# Altium PCB PCB1.PcbDoc
Units mil, origin at the board's own origin, x right, y up, seen from the top; angles counter-clockwise.
Board outline 4580 x 3117.91 mil, 2 copper layers (Top Layer, Bottom Layer); 113 components, 70 nets, 323 pads, 368 vias.
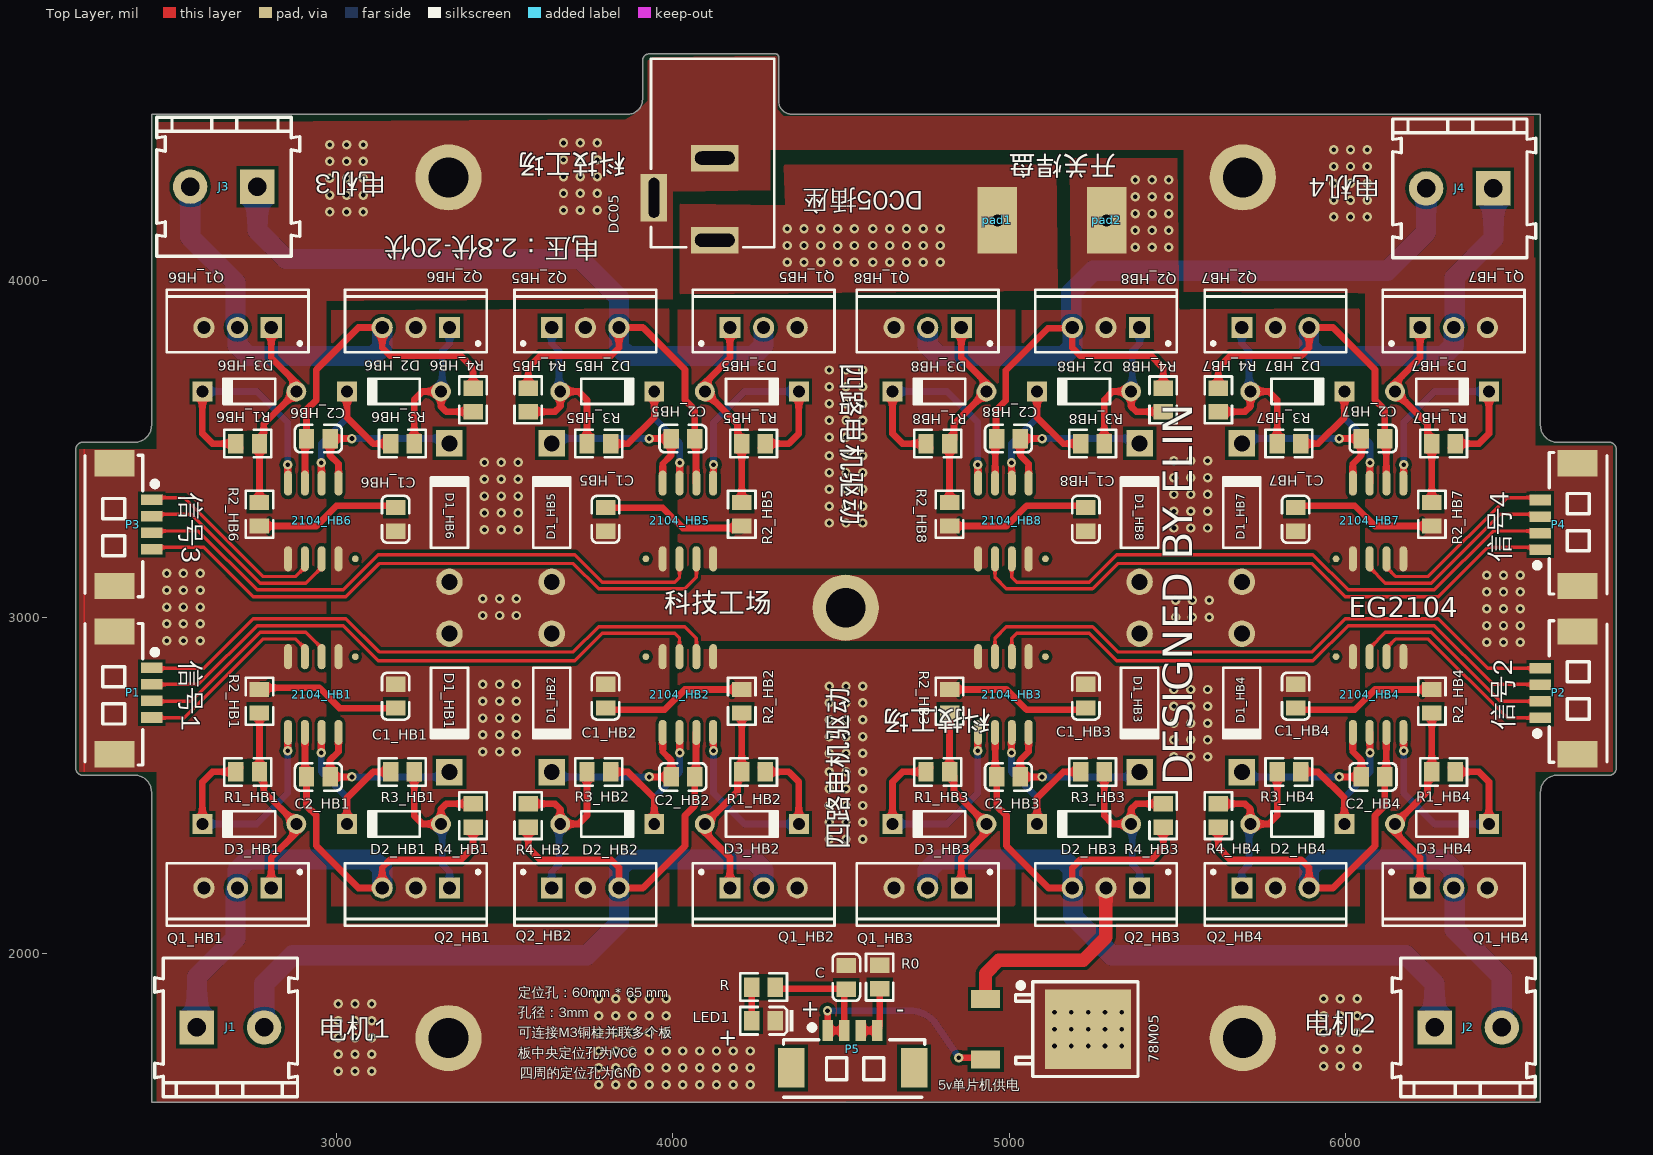
[diagram p0: Top Layer view]
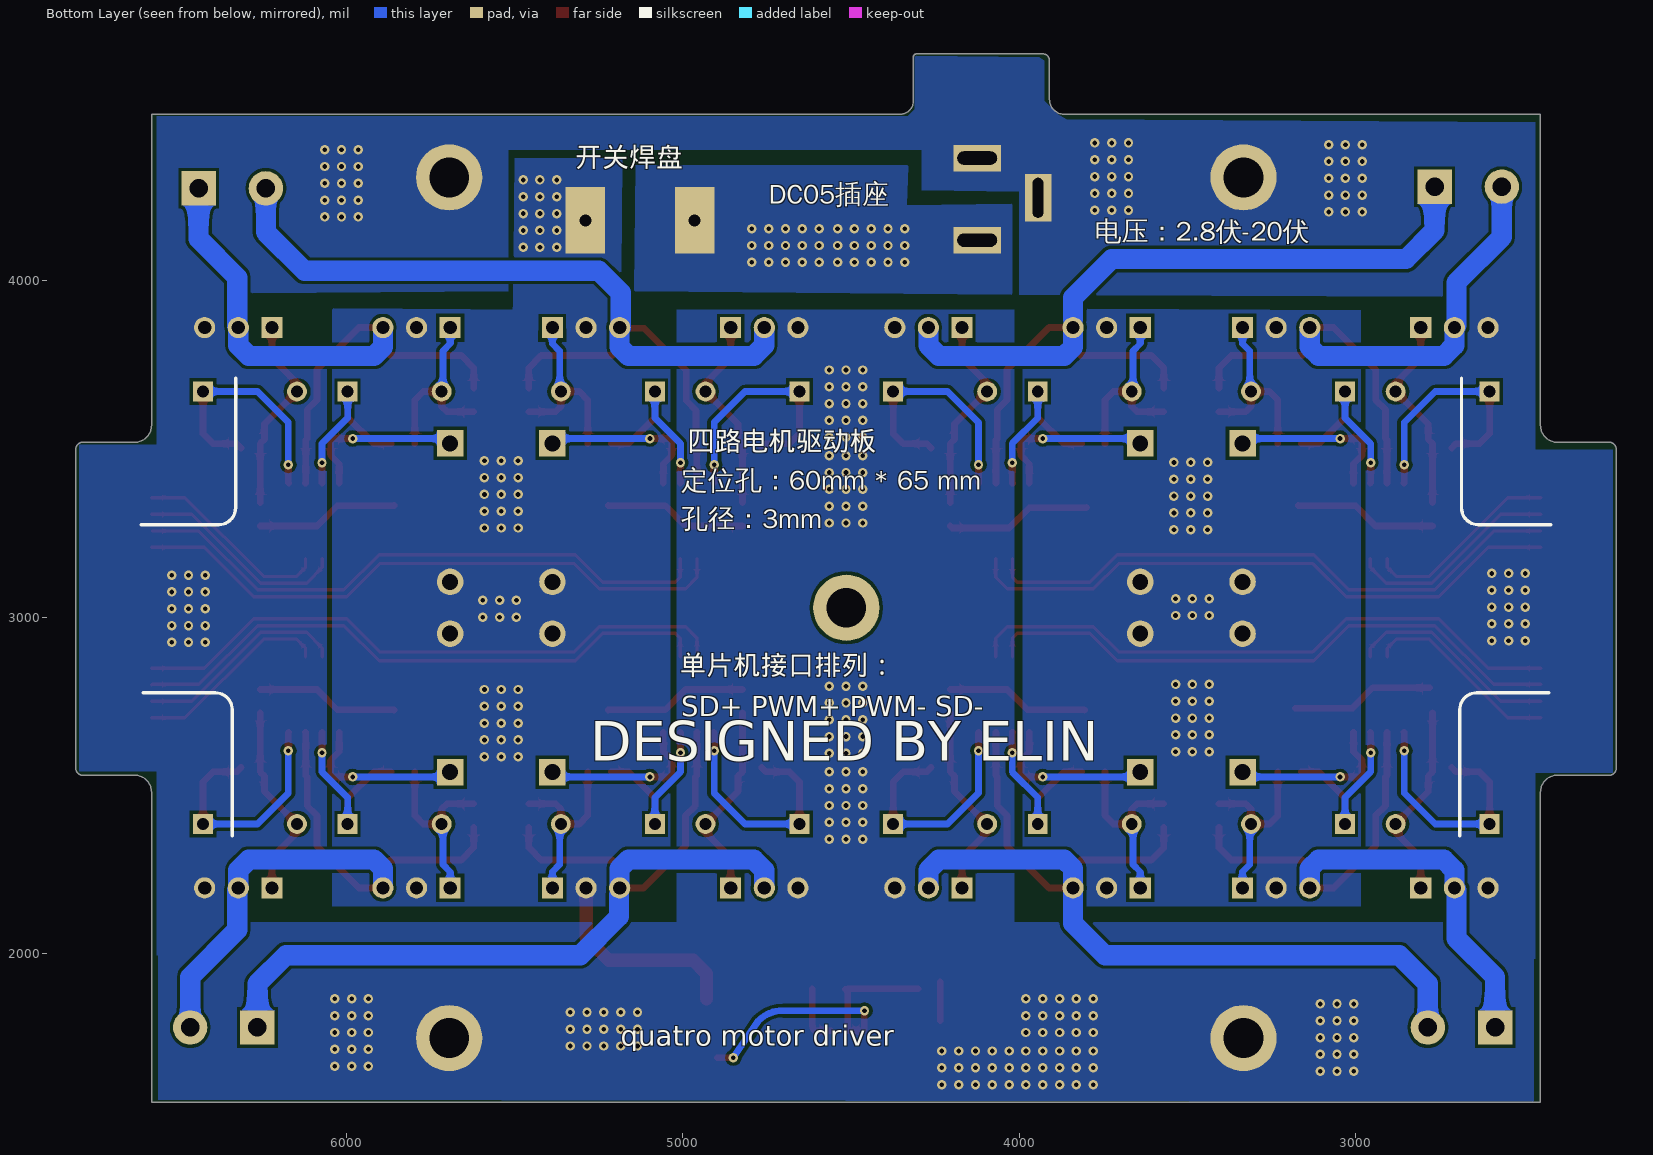
[diagram p1: Bottom Layer view, seen from below]
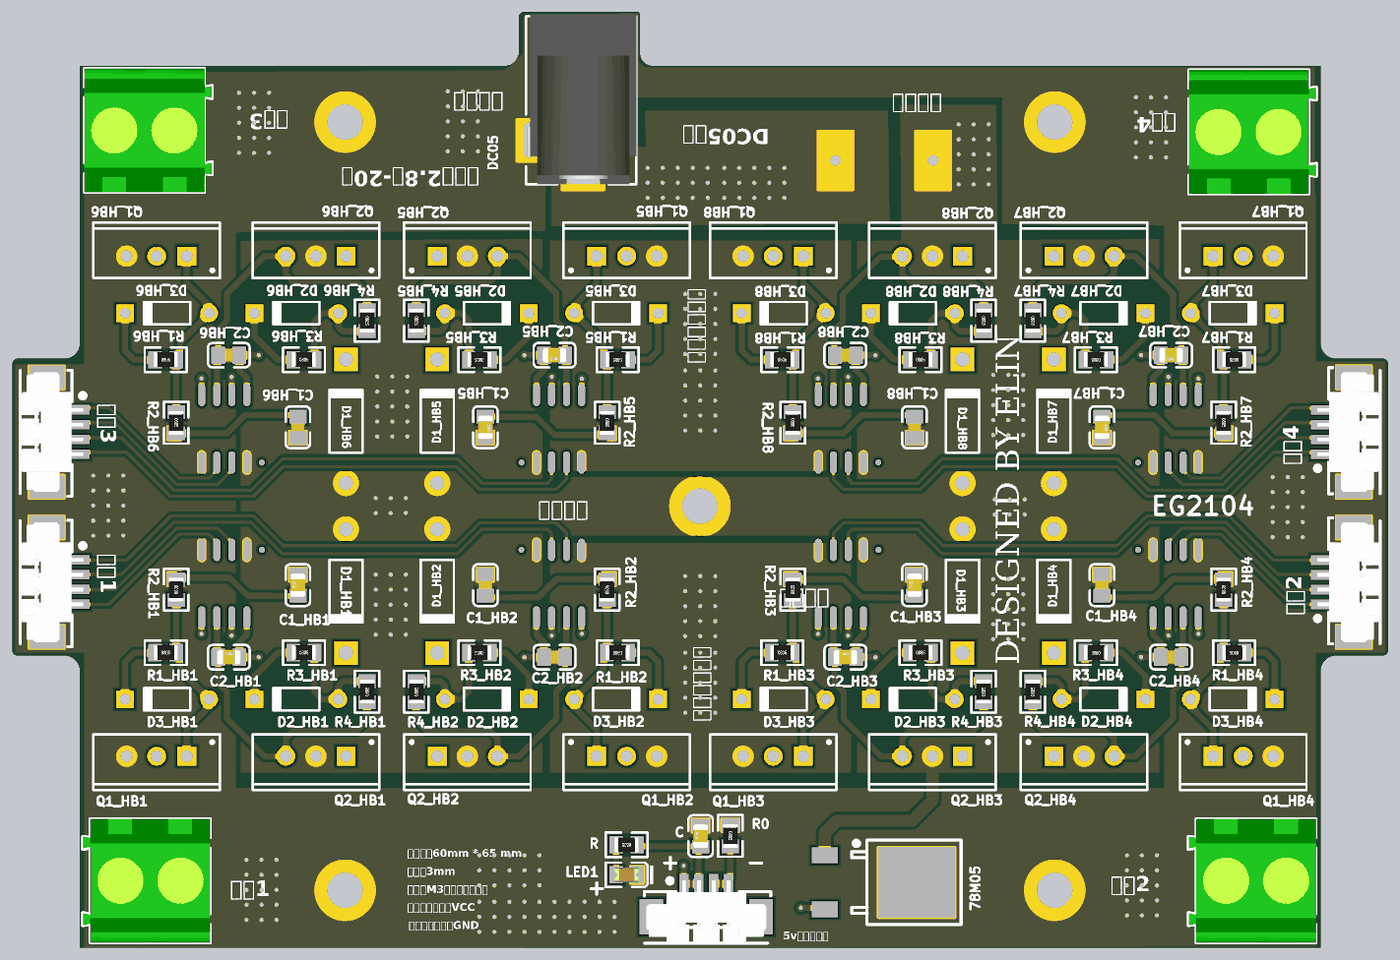
[diagram p2: 3D render of the assembled board from above, using the file's embedded part models]

## Layer stack, top to bottom
Top Solder: solder mask 0.4, Solder Resist, Dk 3.5
Top Layer: signal copper 1.4
Dielectric 1: dielectric 12.6, FR-4, Dk 4.8
Bottom Layer: signal copper 1.4
Bottom Solder: solder mask 0.4, Solder Resist, Dk 3.5

## Board outline
2245,2530 cw(c2245,2550) 2225,2550 2225,3500 cw(c2245,3500) 2245,3520 2400,3520 ccw(c2400,3570) 2450,3570 2450,4495 3865,4495 ccw(c3865,4540) 3910,4540 3910,4655 cw(c3930,4655) 3930,4675 4305,4675 cw(c4305,4665) 4315,4665 4315,4535 ccw(c4355,4535) 4355,4495 4420,4495 6580,4495 6580,3570 ccw(c6630,3570) 6630,3520 6765,3520 6785,3520 cw(c6785,3500) 6805,3500 6805,2550 cw(c6785,2550) 6785,2530 6775,2530 6630,2530 ccw(c6630,2480) 6580,2480 6580,1557.09 2450,1557.09 2450,2480 ccw(c2400,2480) 2400,2530

## Design rules (kind name [scope] priority, off if disabled: settings)
Clearance [All] p1: gap=10 ignorepadtopadclearanceinfootprint=FALSE except(0: Arc-Hole Track-Hole SMDPad-Hole THPad-Hole Via-Hole Fill-Hole Poly-Hole Region-Hole Text-Hole)
HoleSize [All] p1: absolutevalues=TRUE maxlimit=130 minlimit=1 maxpercent=80.000 minpercent=20.000
HoleToHoleClearance [All] p1: gap=4 allowstackedmicrovias=TRUE
MinimumSolderMaskSliver [All] p1: minsoldermaskwidth=4
PlaneClearance [All] p1: clearance=40
PlaneConnect [All] p1: planeconnectstyle=Direct reliefexpansion=20 reliefentries=4 reliefconductorwidth=20 reliefairgap=10
PolygonConnect [All] p1: connectstyle=Direct reliefconductorwidth=30 reliefentries=4 polygonreliefangle="90 Angle" airgapwidth=10
RoomDefinition HB8 [InComponentClass('HB8')] p1: confinementstyle=ConfineIn formatcopy=TRUE lockcomponents=TRUE outline 4514,4071 5540,4071 5540,3028 4514,3028
RoomDefinition HB7 [InComponentClass('HB7')] p2: confinementstyle=ConfineIn formatcopy=TRUE lockcomponents=TRUE outline 6566,4071 5540,4071 5540,3028 6566,3028
RoomDefinition HB6 [InComponentClass('HB6')] p3: confinementstyle=ConfineIn formatcopy=TRUE lockcomponents=TRUE outline 2462,4071 3488,4071 3488,3028 2462,3028
RoomDefinition HB5 [InComponentClass('HB5')] p4: confinementstyle=ConfineIn formatcopy=TRUE lockcomponents=TRUE outline 4514,4071 3488,4071 3488,3028 4514,3028
RoomDefinition HB4 [InComponentClass('HB4')] p5: confinementstyle=ConfineIn formatcopy=TRUE lockcomponents=TRUE outline 6566,1985 5540,1985 5540,3028 6566,3028
RoomDefinition HB3 [InComponentClass('HB3')] p6: confinementstyle=ConfineIn formatcopy=TRUE lockcomponents=TRUE outline 4514,1985 5540,1985 5540,3028 4514,3028
RoomDefinition HB2 [InComponentClass('HB2')] p7: confinementstyle=ConfineIn formatcopy=TRUE lockcomponents=TRUE outline 4514,1985 3488,1985 3488,3028 4514,3028
RoomDefinition HB1 [InComponentClass('HB1')] p8: confinementstyle=ConfineIn formatcopy=TRUE lockcomponents=TRUE outline 2462,1985 3488,1985 3488,3028 2462,3028
RoutingVias [All] p1: holewidth=14 width=28 viastyle="Through Hole" minholewidth=5 minwidth=4 maxholewidth=28 maxwidth=50
SilkToSilkClearance [All] p1: silktosilkclearance=4
SilkToSolderMaskClearance [IsPad] p1: minsilkscreentomaskgap=4 clearancetoexposedcopper=TRUE
SolderMaskExpansion [All] p1: expansion=4
Width Width_3 [InNetClass('MT[1..8]')] p1: maxlimit=90 minlimit=10 preferedwidth=20
Width Width_2 [InNetClass('SD[1..8]')] p2: maxlimit=10 minlimit=10 preferedwidth=10
Width Width_1 [InNetClass('PWM[1..8]')] p3: maxlimit=10 minlimit=10 preferedwidth=10
Width [All] p4: maxlimit=60 minlimit=10 preferedwidth=20
23 further rules are at their usual default settings.

## Classes and differential pairs
channel class h桥: HB1 HB2 HB3 HB4 HB5 HB6 HB7 HB8
net class SD[1..8]: SD1 SD2 SD3 SD4 SD5 SD6 SD7 SD8
net class PWM[1..8]: PWM1 PWM2 PWM3 PWM4 PWM5 PWM6 PWM7 PWM8
net class MT[1..8]: MT1 MT2 MT3 MT4 MT5 MT6 MT7 MT8
component class 汇总: C DC05 J1 J2 J3 J4 LED1 P1 P2 P3 P4 P5 pad1 pad2 R R0
component class HB8: 2104_HB8 C1_HB8 C2_HB8 D1_HB8 D2_HB8 D3_HB8 Q1_HB8 Q2_HB8 R1_HB8 R2_HB8 R3_HB8 R4_HB8
component class HB7: 2104_HB7 C1_HB7 C2_HB7 D1_HB7 D2_HB7 D3_HB7 Q1_HB7 Q2_HB7 R1_HB7 R2_HB7 R3_HB7 R4_HB7
component class HB6: 2104_HB6 C1_HB6 C2_HB6 D1_HB6 D2_HB6 D3_HB6 Q1_HB6 Q2_HB6 R1_HB6 R2_HB6 R3_HB6 R4_HB6
component class HB5: 2104_HB5 C1_HB5 C2_HB5 D1_HB5 D2_HB5 D3_HB5 Q1_HB5 Q2_HB5 R1_HB5 R2_HB5 R3_HB5 R4_HB5
component class HB4: 2104_HB4 C1_HB4 C2_HB4 D1_HB4 D2_HB4 D3_HB4 Q1_HB4 Q2_HB4 R1_HB4 R2_HB4 R3_HB4 R4_HB4
component class HB3: 2104_HB3 C1_HB3 C2_HB3 D1_HB3 D2_HB3 D3_HB3 Q1_HB3 Q2_HB3 R1_HB3 R2_HB3 R3_HB3 R4_HB3
component class HB2: 2104_HB2 C1_HB2 C2_HB2 D1_HB2 D2_HB2 D3_HB2 Q1_HB2 Q2_HB2 R1_HB2 R2_HB2 R3_HB2 R4_HB2
component class HB1: 2104_HB1 C1_HB1 C2_HB1 D1_HB1 D2_HB1 D3_HB1 Q1_HB1 R1_HB1 R2_HB1 R3_HB1 R4_HB1

## Components (designator, comment, footprint, x,y, rotation, side; value= is the part's Value field where it differs from the comment)
78M05 "7805" 78M05 5082.4,1775 r0 top
2104_HB1 "mos管控制" SOP8#1 2931,2770 r180 top (schematic designator 2104)
2104_HB2 "mos管控制" SOP8#2 4045,2770 r0 top (schematic designator 2104)
2104_HB3 "mos管控制" SOP8#1 4983,2770 r180 top (schematic designator 2104)
2104_HB4 "mos管控制" SOP8#2 6097,2770 r0 top (schematic designator 2104)
2104_HB5 "mos管控制" SOP8#1 4045,3286 r0 top (schematic designator 2104)
2104_HB6 "mos管控制" SOP8#2 2931,3286 r180 top (schematic designator 2104)
2104_HB7 "mos管控制" SOP8#1 6097,3286 r0 top (schematic designator 2104)
2104_HB8 "mos管控制" SOP8#2 4983,3286 r180 top (schematic designator 2104)
C "10uF" 0805_C 4516.18,1929.02 r90 top
C1_HB1 "100nF" 0805_C 3176,2765 r90 top (schematic designator C1)
C1_HB2 "100nF" 0805_C 3800,2765 r90 top (schematic designator C1)
C1_HB3 "100nF" 0805_C 5228,2765 r90 top (schematic designator C1)
C1_HB4 "100nF" 0805_C 5852,2765 r90 top (schematic designator C1)
C1_HB5 "100nF" 0805_C 3800,3291 r270 top (schematic designator C1)
C1_HB6 "100nF" 0805_C 3176,3291 r270 top (schematic designator C1)
C1_HB7 "100nF" 0805_C 5852,3291 r270 top (schematic designator C1)
C1_HB8 "100nF" 0805_C 5228,3291 r270 top (schematic designator C1)
C2_HB1 "1uF" 0805_C 2946,2525 r0 top (schematic designator C2)
C2_HB2 "1uF" 0805_C 4030,2525 r180 top (schematic designator C2)
C2_HB3 "1uF" 0805_C 4998,2525 r0 top (schematic designator C2)
C2_HB4 "1uF" 0805_C 6082,2525 r180 top (schematic designator C2)
C2_HB5 "1uF" 0805_C 4030,3531 r180 top (schematic designator C2)
C2_HB6 "1uF" 0805_C 2946,3531 r0 top (schematic designator C2)
C2_HB7 "1uF" 0805_C 6082,3531 r180 top (schematic designator C2)
C2_HB8 "1uF" 0805_C 4998,3531 r0 top (schematic designator C2)
D1_HB1 "Diode 1N4007" DO-41 3336,2745 r270 top (schematic designator D1)
D1_HB2 "Diode 1N4007" DO-41 3640,2745 r270 top (schematic designator D1)
D1_HB3 "Diode 1N4007" DO-41 5388,2745 r270 top (schematic designator D1)
D1_HB4 "Diode 1N4007" DO-41 5692,2745 r270 top (schematic designator D1)
D1_HB5 "Diode 1N4007" DO-41 3640,3311 r90 top (schematic designator D1)
D1_HB6 "Diode 1N4007" DO-41 3336,3311 r90 top (schematic designator D1)
D1_HB7 "Diode 1N4007" DO-41 5692,3311 r90 top (schematic designator D1)
D1_HB8 "Diode 1N4007" DO-41 5388,3311 r90 top (schematic designator D1)
D2_HB1 "Diode 1N4148" DO-35 3171,2385 r180 top (schematic designator D2)
D2_HB2 "Diode 1N4148" DO-35 3805,2385 r0 top (schematic designator D2)
D2_HB3 "Diode 1N4148" DO-35 5223,2385 r180 top (schematic designator D2)
D2_HB4 "Diode 1N4148" DO-35 5857,2385 r0 top (schematic designator D2)
D2_HB5 "Diode 1N4148" DO-35 3805,3671 r0 top (schematic designator D2)
D2_HB6 "Diode 1N4148" DO-35 3171,3671 r180 top (schematic designator D2)
D2_HB7 "Diode 1N4148" DO-35 5857,3671 r0 top (schematic designator D2)
D2_HB8 "Diode 1N4148" DO-35 5223,3671 r180 top (schematic designator D2)
D3_HB1 "Diode 1N4148" DO-35 2741,2385 r180 top (schematic designator D3)
D3_HB2 "Diode 1N4148" DO-35 4235,2385 r0 top (schematic designator D3)
D3_HB3 "Diode 1N4148" DO-35 4793,2385 r180 top (schematic designator D3)
D3_HB4 "Diode 1N4148" DO-35 6287,2385 r0 top (schematic designator D3)
D3_HB5 "Diode 1N4148" DO-35 4235,3671 r0 top (schematic designator D3)
D3_HB6 "Diode 1N4148" DO-35 2741,3671 r180 top (schematic designator D3)
D3_HB7 "Diode 1N4148" DO-35 6287,3671 r0 top (schematic designator D3)
D3_HB8 "Diode 1N4148" DO-35 4793,3671 r180 top (schematic designator D3)
DC05 "DC05" "DC-005 - duplicate" 4125,4660.28 r270 top
J1 "接线端子-2P" KF128-5.08-2P 2785,1780 r0 top
J2 "接线端子-2P" KF128-5.08-2P 6465,1780 r0 top
J3 "接线端子-2P" KF128-5.08-2P 2565,4280 r180 top
J4 "接线端子-2P" KF128-5.08-2P 6240,4275 r180 top
LED1 "LED" LED_0805 4270,1800 r0 top
P1 "Header 4" "MX 1.25-WS-4P" 2340,2775 r270 top
P2 "Header 4" "MX 1.25-WS-4P" 6690,2775 r90 top
P3 "Header 4" "MX 1.25-WS-4P" 2340,3275 r270 top
P4 "Header 4" "MX 1.25-WS-4P" 6690,3275 r90 top
P5 "Header 4" "MX 1.25-WS-4P" 4535,1660 r0 top
pad1 "pad" PAD3*3 4965,4180 r90 top
pad2 "pad" PAD3*3 5290,4180 r90 top
Q1_HB1 "NMOS-2" TO-220AB 2706,2195 r180 top (schematic designator Q1)
Q1_HB2 "NMOS-2" TO-220AB 4270,2195 r0 top (schematic designator Q1)
Q1_HB3 "NMOS-2" TO-220AB 4758,2195 r180 top (schematic designator Q1)
Q1_HB4 "NMOS-2" TO-220AB 6322,2195 r0 top (schematic designator Q1)
Q1_HB5 "NMOS-2" TO-220AB 4270,3861 r0 top (schematic designator Q1)
Q1_HB6 "NMOS-2" TO-220AB 2706,3861 r180 top (schematic designator Q1)
Q1_HB7 "NMOS-2" TO-220AB 6322,3861 r0 top (schematic designator Q1)
Q1_HB8 "NMOS-2" TO-220AB 4758,3861 r180 top (schematic designator Q1)
Q2_HB1 "NMOS-2" TO-220AB 3236,2195 r180 top (schematic designator Q2)
Q2_HB2 "NMOS-2" TO-220AB 3740,2195 r0 top (schematic designator Q2)
Q2_HB3 "NMOS-2" TO-220AB 5288,2195 r180 top (schematic designator Q2)
Q2_HB4 "NMOS-2" TO-220AB 5792,2195 r0 top (schematic designator Q2)
Q2_HB5 "NMOS-2" TO-220AB 3740,3861 r0 top (schematic designator Q2)
Q2_HB6 "NMOS-2" TO-220AB 3236,3861 r180 top (schematic designator Q2)
Q2_HB7 "NMOS-2" TO-220AB 5792,3861 r0 top (schematic designator Q2)
Q2_HB8 "NMOS-2" TO-220AB 5288,3861 r180 top (schematic designator Q2)
R "100K" 0805_R 4270,1900 r180 top
R0 "0" 0805_R 4615,1930 r270 top
R1_HB1 "22" 0805_R 2736,2540 r0 top (schematic designator R1)
R1_HB2 "22" 0805_R 4240,2540 r180 top (schematic designator R1)
R1_HB3 "22" 0805_R 4788,2540 r0 top (schematic designator R1)
R1_HB4 "22" 0805_R 6292,2540 r180 top (schematic designator R1)
R1_HB5 "22" 0805_R 4240,3516 r180 top (schematic designator R1)
R1_HB6 "22" 0805_R 2736,3516 r0 top (schematic designator R1)
R1_HB7 "22" 0805_R 6292,3516 r180 top (schematic designator R1)
R1_HB8 "22" 0805_R 4788,3516 r0 top (schematic designator R1)
R2_HB1 "10K" 0805_R 2771,2750 r90 top (schematic designator R2)
R2_HB2 "10K" 0805_R 4205,2750 r90 top (schematic designator R2)
R2_HB3 "10K" 0805_R 4823,2750 r90 top (schematic designator R2)
R2_HB4 "10K" 0805_R 6257,2750 r90 top (schematic designator R2)
R2_HB5 "10K" 0805_R 4205,3306 r270 top (schematic designator R2)
R2_HB6 "10K" 0805_R 2771,3306 r270 top (schematic designator R2)
R2_HB7 "10K" 0805_R 6257,3306 r270 top (schematic designator R2)
R2_HB8 "10K" 0805_R 4823,3306 r270 top (schematic designator R2)
R3_HB1 "22" 0805_R 3196,2540 r0 top (schematic designator R3)
R3_HB2 "22" 0805_R 3780,2540 r180 top (schematic designator R3)
R3_HB3 "22" 0805_R 5248,2540 r0 top (schematic designator R3)
R3_HB4 "22" 0805_R 5832,2540 r180 top (schematic designator R3)
R3_HB5 "22" 0805_R 3780,3516 r180 top (schematic designator R3)
R3_HB6 "22" 0805_R 3196,3516 r0 top (schematic designator R3)
R3_HB7 "22" 0805_R 5832,3516 r180 top (schematic designator R3)
R3_HB8 "22" 0805_R 5248,3516 r0 top (schematic designator R3)
R4_HB1 "10K" 0805_R 3406,2410 r90 top (schematic designator R4)
R4_HB2 "10K" 0805_R 3570,2410 r90 top (schematic designator R4)
R4_HB3 "10K" 0805_R 5458,2410 r90 top (schematic designator R4)
R4_HB4 "10K" 0805_R 5622,2410 r90 top (schematic designator R4)
R4_HB5 "10K" 0805_R 3570,3646 r270 top (schematic designator R4)
R4_HB6 "10K" 0805_R 3406,3646 r270 top (schematic designator R4)
R4_HB7 "10K" 0805_R 5622,3646 r270 top (schematic designator R4)
R4_HB8 "10K" 0805_R 5458,3646 r270 top (schematic designator R4)

## Footprints (in the part's own frame and the unit in brackets; to place one, negate y for a bottom-side part, rotate by r counter-clockwise, add the part's x,y. Pads: shape width x height; smd on the part's side, far side on the other; paste and mask are expansions set on the pad)
78M05 [mm]
  rect 2.2x1.35 smd: 1(-3.876,2.29) 3(-3.871,-2.29)
  rect 6.5x6 smd: 4(3.876,0)
  silkscreen extent -1.61,-3.57 7.64,3.57
0805_C [mm]
  rect 1.16x1.47 smd: 1(-0.89,0) 2(0.89,0)
  silkscreen extent -1.77,-1.04 1.77,1.04, body extent -1,-0.62 1,0.63, height 0.77
0805_R [mm]
  rect 1.16x1.47 smd: 1(-0.89,0) 2(0.89,0)
  silkscreen extent -1.77,-1.04 1.77,1.03, body extent -1,-0.62 1,0.63, height 0.49
"DC-005 - duplicate" [mm] "DC Power Jack,  5.5*2.1mm, PCB Mount"
  rect 2x3.6 hole 3 slot 1 at 0 deg: 1(13.7,0) 2(7.5,0)
  rect 3.6x2 hole 3 slot 0.8 at 90 deg: 3(10.5,-4.6)
  silkscreen extent 0,-4.83 14.22,4.5, body extent -0.18,-4.78 14.22,4.52, height 11
DO-35 [mm] "Diode, Axial; Body 3.8 x 1.9 mm (LxDia. max), Lead Dia. 0.53 mm (max)"
  round 1.5 hole 0.9: 1(-3.55,0)
  rect 1.5x1.5 hole 0.9: 2(3.55,0)
  silkscreen extent -1.95,-0.95 2.05,0.95
DO-41 [mm] "Diode, Axial; Body 5.2 x 2.7 mm (LxDia. max), Lead Dia. 0.86 mm (max)"
  round 2 hole 1.2: 1(-5.23,0)
  rect 2x2 hole 1.2: 2(5.23,0)
  silkscreen extent -2.65,-1.4 2.75,1.4
KF128-5.08-2P [mm] "KF128, pitch 5.08mm, 2Pins, 300V, 10A (250V, 24A)"
  rect 2.6x2.6 hole 1.4: 1(-5.08,0)
  round 2.6 hole 1.4: 2(0,0)
  silkscreen extent -8.27,-5.24 2.52,5.25, body extent -8.23,-5.25 2.53,5.25, height 14.35
LED_0805 [mm] "贴片二极管"
  rect 1.16x1.47 smd: 1(-0.89,0) 2(0.89,0)
  silkscreen extent -1.77,-1.03 2.25,1.04, body extent -1.01,-0.62 1.01,0.62, height 1.1
"MX 1.25-WS-4P" [mm] "长：10.15mm，宽：4.2mm，高：3.4mm"
  rect 2x3 smd: 0(-4.632,0) 0(4.632,0)
  rect 0.8x1.6 smd: 1(-1.889,2.811) 2(-0.639,2.811) 3(0.611,2.811) 4(1.861,2.811)
  silkscreen extent -5.23,-2.23 5.45,3.25, body extent -5.07,-2.1 5.07,3.09, height 3.4
PAD3*3 [mm] "3MM*3MM"
  rect 5x3 hole 0.9: 1(0,0)
SOP8#1 [mm]
  round 0.508 smd: 0(-3.175,-2.858)
  oval 0.6x1.9 smd: 1(-1.905,-2.858) 2(-0.635,-2.858) 3(0.635,-2.858) 4(1.905,-2.858) 5(1.905,2.858) 6(0.635,2.858) 7(-0.635,2.858) 8(-1.905,2.858)
  body extent -2.49,-1.99 2.49,1.99, height 1.75
SOP8#2 [mm]
  round 0.508 smd: 0(-3.175,2.858)
  oval 0.6x1.9 smd: 1(-1.905,2.858) 2(-0.635,2.858) 3(0.635,2.858) 4(1.905,2.858) 5(1.905,-2.858) 6(0.635,-2.858) 7(-0.635,-2.858) 8(-1.905,-2.858)
  body extent -2.49,-1.99 2.49,1.99, height 1.75
TO-220AB [mm] "TO, Thru-Hole, Vertical, Heatsink Mounted; 3 In-Line Leads; Pitch 2.54 mm"
  rect 1.6x1.6 hole 1: 1(-2.54,0)
  round 1.6 hole 1: 2(0,0) 3(2.54,0)
  silkscreen extent -5.35,-1.85 5.35,2.85, body extent -5.4,-1.9 5.4,2.9, height 19.3

## Part data
2104_HB1 2104_HB2 2104_HB3 2104_HB4 2104_HB5 2104_HB6 2104_HB7 2104_HB8: library part eg2104
C C1_HB1 C1_HB2 C1_HB3 C1_HB4 C1_HB5 C1_HB6 C1_HB7 C1_HB8 C2_HB1 C2_HB2 C2_HB3 C2_HB4 C2_HB5 C2_HB6 C2_HB7 C2_HB8: library part C
D1_HB1 D1_HB2 D1_HB3 D1_HB4 D1_HB5 D1_HB6 D1_HB7 D1_HB8: "1 Amp General Purpose Rectifier", Code_JEDEC=DO-204-AL, ComponentLink1Description="Manufacturer Link", ComponentLink1URL=http://www.fairchildsemi.com/, ComponentLink2Description=Datasheet, ComponentLink2URL=http://www.fairchildsemi.com/ds/1N%2F1N4001.pdf, DatasheetVersion=1998, LatestRevisionDate=17-Jul-2002, LatestRevisionNote="Re-released for DXP Platform.", PackageDescription="Diode, Axial; Body 5.2 x 2.7 mm (LxDia. max), Lead Dia. 0.86 mm (max)", PackageReference=DO-41, PackageVersion=Aug-1999, Published=8-Jun-2000, Publisher="Altium Limited"
D2_HB1 D2_HB2 D2_HB3 D2_HB4 D2_HB5 D2_HB6 D2_HB7 D2_HB8 D3_HB1 D3_HB2 D3_HB3 D3_HB4 D3_HB5 D3_HB6 D3_HB7 D3_HB8: "High Conductance Fast Diode", Code_JEDEC=DO-204-AH, ComponentLink1Description="Manufacturer Link", ComponentLink1URL=http://www.fairchildsemi.com/, ComponentLink2Description=Datasheet, ComponentLink2URL=http://www.fairchildsemi.com/ds/1N%2F1N4148.pdf, DatasheetVersion=1997, LatestRevisionDate=17-Jul-2002, LatestRevisionNote="Re-released for DXP Platform.", PackageDescription="Diode, Axial; Body 3.8 x 1.9 mm (LxDia. max), Lead Dia. 0.53 mm (max)", PackageReference=DO-35, Published=8-Jun-2000, Publisher="Altium Limited"
DC05: "DC05电源"
J1 J2 J3 J4: "通用接线端子"
P1 P2 P3 P4 P5: "Header, 4-Pin"
pad1 pad2: library part pad1
Q1_HB1 Q1_HB2 Q1_HB3 Q1_HB4 Q1_HB5 Q1_HB6 Q1_HB7 Q1_HB8 Q2_HB1 Q2_HB2 Q2_HB3 Q2_HB4 Q2_HB5 Q2_HB6 Q2_HB7 Q2_HB8: "N-Channel Power MOSFET", ComponentLink1Description="Manufacturer Link", ComponentLink1URL=http://www.irf.com/, DatasheetVersion=PD-9.814, LatestRevisionDate=17-Jul-2002, LatestRevisionNote="Re-released for DXP Platform.", Note="Pin 2 is electrically connected to pin 4.", PackageDescription="TO, Thru-Hole, Vertical, Heatsink Mounted; 3 In-Line Leads; Pitch 2.54 mm", PackageReference=TO-220AB, PackageVersion=Feb-1997, Published=8-Jun-2000, Publisher="Altium Limited"
R R0 R1_HB1 R1_HB2 R1_HB3 R1_HB4 R1_HB5 R1_HB6 R1_HB7 R1_HB8 R2_HB1 R2_HB2 R2_HB3 R2_HB4 R2_HB5 R2_HB6 R2_HB7 R2_HB8 R3_HB1 R3_HB2 R3_HB3 R3_HB4 R3_HB5 R3_HB6 R3_HB7 R3_HB8 R4_HB1 R4_HB2 R4_HB3 R4_HB4 R4_HB5 R4_HB6 R4_HB7 R4_HB8: library part R

## Free pads (board coordinates)
  round 196.85 hole 118.11: 15(3333.22,4307.52) 16(3333.22,1748.48) 17(5694.78,1748.48) 18(5694.78,4307.52) 19(4514,3028)

## Via types
v1: diameter 28, hole 14, Top Layer to Bottom Layer, tented both sides, 368 vias
